# Altium PCB Shuttler_AMC.PcbDoc (part 10 of 12) (continued)
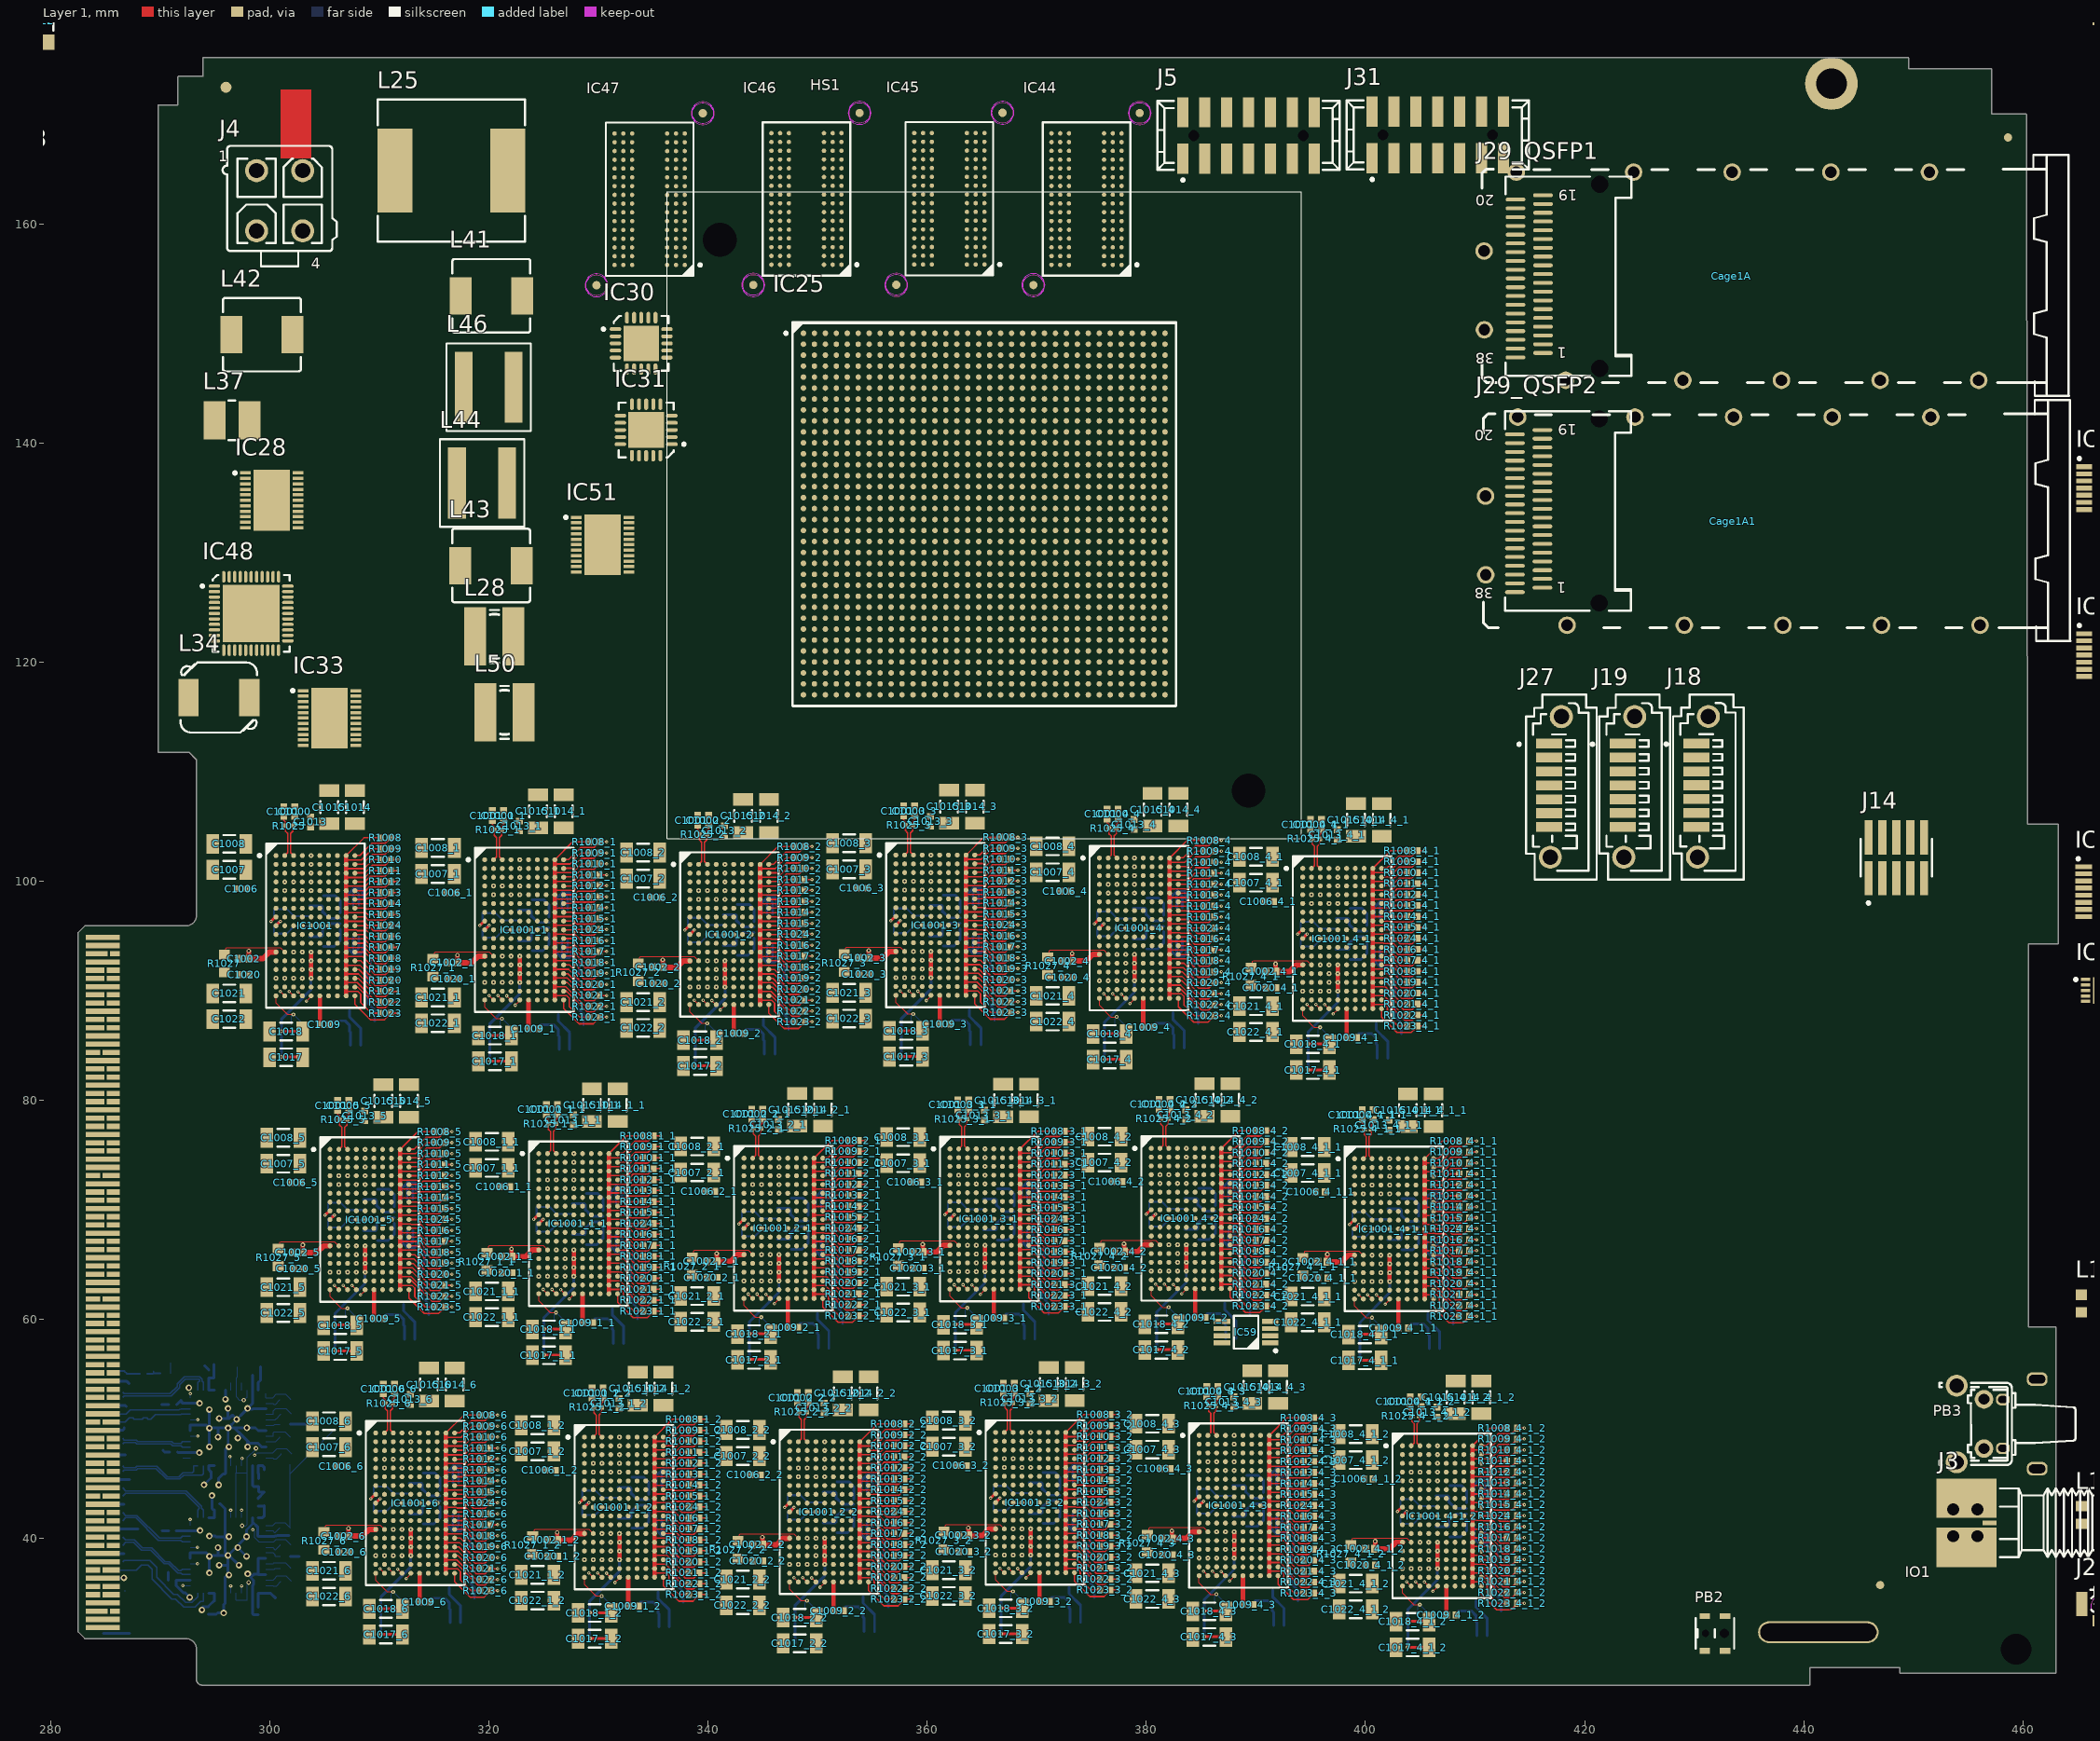
[diagram p0: Layer 1 view]
## Nets (pads, with @x,y where several pads share a name; then routed paths per layer and width w, separated by ;. In a path a pad name is that pad's centre, name@x,y a point inside that pad or via, vN(x,y) a via of type N, cw(c..) or ccw(c..) an arc to the next point about the centre after c; other vN are vias at no path point) (continued)
337.75,37.897 338.255,37.897 ; 335.119,40.075 336.622,40.075 337.8,38.897 338.255,38.897 ; 335.119,40.875 336.797,40.875 337.775,39.897 338.255,39.897 ; 335.119,41.675 336.747,41.675 337.525,40.897 338.255,40.897 ; 335.119,42.475 336.075,42.475 336.125,42.425 336.997,42.425 337.525,41.897 338.255,41.897 ; 335.119,43.275 336.7,43.275 337.078,42.897 338.255,42.897 ; 335.119,44.075 336.922,44.075 337.1,43.897 338.255,43.897 ; 335.119,44.872 338.23,44.872 338.255,44.897 ; 335.119,45.675 336.953,45.675 337.175,45.897 338.255,45.897 ; 335.119,46.475 336.853,46.475 337.275,46.897 338.255,46.897 ; 335.119,47.275 336.825,47.275 337.447,47.897 338.255,47.897 ; 335.119,48.075 335.126,48.082 336.752,48.082 337.567,48.897 338.255,48.897 ; 335.119,48.875 335.126,48.882 336.51,48.882 337.525,49.897 338.255,49.897 ; 335.119,49.275 336.741,50.897 338.255,50.897 ; v2(335.681,62.756) 335.026,62.756 ; 335.919,37.275 336.172,37.275 338.05,35.397 338.695,35.397 338.953,35.655 338.973,35.655 339.195,35.877 339.195,35.897 v2(339.85,35.897) ; 335.919,38.075 336.247,38.075 337.925,36.397 338.694,36.397 338.953,36.656 338.973,36.656 339.195,36.878 ; 335.919,38.875 336.3,38.875 337.778,37.397 338.695,37.397 338.953,37.655 338.973,37.655 339.195,37.877 339.195,37.897 v2(339.85,37.897) ; 335.919,39.675 336.447,39.675 337.725,38.397 338.695,38.397 338.953,38.655 338.973,38.655 339.195,38.877 339.195,38.897 v2(339.85,38.897) ; 335.919,40.475 336.805,40.475 337.883,39.397 338.695,39.397 338.953,39.655 338.973,39.655 339.195,39.877 339.195,39.897 v2(339.85,39.897) ; 335.919,41.275 336.784,41.275 337.662,40.397 338.695,40.397 338.953,40.655 338.973,40.655 339.195,40.877 339.195,40.897 v2(339.85,40.897) ; 335.919,42.075 336.747,42.075 337.425,41.397 338.695,41.397 338.953,41.655 338.973,41.655 339.195,41.877 339.195,41.897 v2(339.85,41.897) ; 335.919,42.875 336.766,42.875 336.98,42.661 337.361,42.661 337.625,42.397 338.695,42.397 338.953,42.655 338.973,42.655 339.195,42.877 339.195,42.897 v2(339.85,42.897) ; 335.919,43.675 336.481,43.675 336.847,43.675 337.125,43.397 338.695,43.397 338.953,43.655 338.973,43.655 339.195,43.877 339.195,43.897 v2(339.85,43.897) ; 335.919,44.475 336.503,44.475 336.847,44.475 336.925,44.397 338.695,44.397 338.953,44.655 338.973,44.655 339.195,44.877 339.195,44.897 v2(339.85,44.897) ; 335.919,45.275 336.403,45.275 336.903,45.275 337.025,45.397 338.695,45.397 338.953,45.655 338.973,45.655 339.195,45.877 339.195,45.897 v2(339.85,45.897) ; 335.919,46.075 336.403,46.075 336.903,46.075 337.225,46.397 338.695,46.397 338.953,46.655 338.973,46.655 339.195,46.877 339.195,46.897 v2(339.85,46.897) ; 335.919,46.875 336.253,46.875 336.803,46.875 337.325,47.397 338.695,47.397 338.953,47.655 338.973,47.655 339.195,47.877 339.195,47.897 v2(339.85,47.897) ; 335.919,47.675 335.944,47.7 336.228,47.7 336.828,47.7 337.525,48.397 338.695,48.397 338.953,48.655 338.973,48.655 339.195,48.877 339.195,48.897 v2(339.85,48.897) ; 335.919,48.475 335.944,48.5 336.228,48.5 336.628,48.5 337.525,49.397 338.695,49.397 338.953,49.655 338.973,49.655 339.195,49.877 339.195,49.897 v2(339.85,49.897) ; 335.919,49.275 335.944,49.3 336.378,49.3 337.475,50.397 338.695,50.397 338.953,50.655 338.973,50.655 339.195,50.877 339.195,50.897 v2(339.85,50.897) ; 335.922,36.472 335.919,36.475 335.919,35.703 337.325,34.297 338.625,34.297 338.973,34.645 338.973,34.675 339.195,34.897 v2(339.85,34.897) ; 339.05,105.122 339.05,104.766 339.209,104.607 339.209,104.283 339.22,104.272 339.22,103.764 339.412,103.572 339.412,101.818 339.144,101.55 ; 339.195,36.898 339.195,36.878 ; v2(339.85,36.878) 339.195,36.878 ; 339.944,101.55 339.676,101.818 339.676,103.572 339.88,103.776 339.88,104.272 339.885,104.277 339.885,104.607 340.05,104.772 340.05,105.122 ; 343.981,78.3 343.981,77.944 344.14,77.785 344.14,77.461 344.151,77.45 344.151,76.942 344.343,76.75 344.343,74.996 344.075,74.728 ; 344.744,89.147 345.825,89.147 346.075,88.897 346.075,88.122 347.025,87.172 347.88,87.172 ; 344.744,89.95 345.747,89.95 347.525,88.172 347.88,88.172 ; 344.744,90.75 345.872,90.75 347.449,89.173 347.88,89.173 ; 344.744,91.55 345.997,91.55 347.375,90.172 347.88,90.172 ; 344.744,92.35 346.247,92.35 347.425,91.172 347.88,91.172 ; 344.744,93.15 346.422,93.15 347.4,92.172 347.88,92.172 ; 344.744,93.95 346.372,93.95 347.15,93.172 347.88,93.172 ; 344.744,94.75 345.7,94.75 345.75,94.7 346.622,94.7 347.15,94.172 347.88,94.172 ; 344.744,95.55 346.325,95.55 346.703,95.172 347.88,95.172 ; 344.744,96.35 346.547,96.35 346.725,96.172 347.88,96.172 ; 344.744,97.147 347.855,97.147 347.88,97.172 ; 344.744,97.95 346.578,97.95 346.8,98.172 347.88,98.172 ; 344.744,98.75 346.478,98.75 346.9,99.172 347.88,99.172 ; 344.744,99.55 346.45,99.55 347.072,100.172 347.88,100.172 ; 344.744,100.35 344.751,100.357 346.377,100.357 347.192,101.172 347.88,101.172 ; 344.744,101.15 344.751,101.157 346.135,101.157 347.15,102.172 347.88,102.172 ; 344.744,101.55 346.366,103.172 347.88,103.172 ; 344.875,74.728 344.607,74.996 344.607,76.75 344.811,76.954 344.811,77.45 344.816,77.455 344.816,77.785 344.981,77.95 344.981,78.3 ; 345.544,89.55 345.797,89.55 347.675,87.672 348.32,87.672 348.578,87.93 348.598,87.93 348.82,88.152 348.82,88.172 v2(349.475,88.172) ; 345.544,90.35 345.872,90.35 347.55,88.672 348.319,88.672 348.578,88.931 348.598,88.931 348.82,89.153 ; 345.544,91.15 345.925,91.15 347.403,89.672 348.32,89.672 348.578,89.93 348.598,89.93 348.82,90.152 348.82,90.172 v2(349.475,90.172) ; 345.544,91.95 346.072,91.95 347.35,90.672 348.32,90.672 348.578,90.93 348.598,90.93 348.82,91.152 348.82,91.172 v2(349.475,91.172) ; 345.544,92.75 346.43,92.75 347.508,91.672 348.32,91.672 348.578,91.93 348.598,91.93 348.82,92.152 348.82,92.172 v2(349.475,92.172) ; 345.544,93.55 346.409,93.55 347.287,92.672 348.32,92.672 348.578,92.93 348.598,92.93 348.82,93.152 348.82,93.172 v2(349.475,93.172) ; 345.544,94.35 346.372,94.35 347.05,93.672 348.32,93.672 348.578,93.93 348.598,93.93 348.82,94.152 348.82,94.172 v2(349.475,94.172) ; 345.544,95.15 346.391,95.15 346.605,94.936 346.986,94.936 347.25,94.672 348.32,94.672 348.578,94.93 348.598,94.93 348.82,95.152 348.82,95.172 v2(349.475,95.172) ; 345.544,95.95 346.106,95.95 346.472,95.95 346.75,95.672 348.32,95.672 348.578,95.93 348.598,95.93 348.82,96.152 348.82,96.172 v2(349.475,96.172) ; 345.544,96.75 346.128,96.75 346.472,96.75 346.55,96.672 348.32,96.672 348.578,96.93 348.598,96.93 348.82,97.152 348.82,97.172 v2(349.475,97.172) ; 345.544,97.55 346.028,97.55 346.528,97.55 346.65,97.672 348.32,97.672 348.578,97.93 348.598,97.93 348.82,98.152 348.82,98.172 v2(349.475,98.172) ; 345.544,98.35 346.028,98.35 346.528,98.35 346.85,98.672 348.32,98.672 348.578,98.93 348.598,98.93 348.82,99.152 348.82,99.172 v2(349.475,99.172) ; 345.544,99.15 345.878,99.15 346.428,99.15 346.95,99.672 348.32,99.672 348.578,99.93 348.598,99.93 348.82,100.152 348.82,100.172 v2(349.475,100.172) ; 345.544,99.95 345.569,99.975 345.853,99.975 346.453,99.975 347.15,100.672 348.32,100.672 348.578,100.93 348.598,100.93 348.82,101.152 348.82,101.172 v2(349.475,101.172) ; 345.544,100.75 345.569,100.775 345.853,100.775 346.253,100.775 347.15,101.672 348.32,101.672 348.578,101.93 348.598,101.93 348.82,102.152 348.82,102.172 v2(349.475,102.172) ; 345.544,101.55 345.569,101.575 346.003,101.575 347.1,102.672 348.32,102.672 348.578,102.93 348.598,102.93 348.82,103.152 348.82,103.172 v2(349.475,103.172) ; 345.547,88.747 345.544,88.75 345.544,87.978 346.95,86.572 348.25,86.572 348.598,86.92 348.598,86.95 348.82,87.172 v2(349.475,87.172) ; 348.15,52.422 348.15,52.066 348.309,51.907 348.309,51.583 348.32,51.572 348.32,51.064 348.512,50.872 348.512,49.118 348.244,48.85 ; 348.82,89.173 348.82,89.153 ; 349.044,48.85 348.776,49.118 348.776,50.872 348.98,51.076 348.98,51.572 348.985,51.577 348.985,51.907 349.15,52.072 349.15,52.422 ; v2(349.475,89.153) 348.82,89.153 ; 349.675,62.325 350.756,62.325 351.006,62.075 351.006,61.3 351.956,60.35 352.811,60.35 ; 349.675,63.128 350.678,63.128 352.456,61.35 352.811,61.35 ; 349.675,63.928 350.803,63.928 352.38,62.351 352.811,62.351 ; 349.675,64.728 350.928,64.728 352.306,63.35 352.811,63.35 ; 349.675,65.528 351.178,65.528 352.356,64.35 352.811,64.35 ; 349.675,66.328 351.353,66.328 352.331,65.35 352.811,65.35 ; 349.675,67.128 351.303,67.128 352.081,66.35 352.811,66.35 ; 349.675,67.928 350.631,67.928 350.681,67.878 351.553,67.878 352.081,67.35 352.811,67.35 ; 349.675,68.728 351.256,68.728 351.634,68.35 352.811,68.35 ; 349.675,69.528 351.478,69.528 351.656,69.35 352.811,69.35 ; 349.675,70.325 352.786,70.325 352.811,70.35 ; 349.675,71.128 351.509,71.128 351.731,71.35 352.811,71.35 ; 349.675,71.928 351.409,71.928 351.831,72.35 352.811,72.35 ; 349.675,72.728 351.381,72.728 352.003,73.35 352.811,73.35 ; 349.675,73.528 349.682,73.535 351.308,73.535 352.123,74.35 352.811,74.35 ; 349.675,74.328 349.682,74.335 351.066,74.335 352.081,75.35 352.811,75.35 ; 349.675,74.728 351.297,76.35 352.811,76.35 ; 350.475,62.728 350.728,62.728 352.606,60.85 353.251,60.85 353.509,61.108 353.529,61.108 353.751,61.33 353.751,61.35 v2(354.406,61.35) ; 350.475,63.528 350.803,63.528 352.481,61.85 353.25,61.85 353.509,62.109 353.529,62.109 353.751,62.331 ; 350.475,64.328 350.856,64.328 352.334,62.85 353.251,62.85 353.509,63.108 353.529,63.108 353.751,63.33 353.751,63.35 v2(354.406,63.35) ; 350.475,65.128 351.003,65.128 352.281,63.85 353.251,63.85 353.509,64.108 353.529,64.108 353.751,64.33 353.751,64.35 v2(354.406,64.35) ; 350.475,65.928 351.361,65.928 352.439,64.85 353.251,64.85 353.509,65.108 353.529,65.108 353.751,65.33 353.751,65.35 v2(354.406,65.35) ; 350.475,66.728 351.34,66.728 352.218,65.85 353.251,65.85 353.509,66.108 353.529,66.108 353.751,66.33 353.751,66.35 v2(354.406,66.35) ; 350.475,67.528 351.303,67.528 351.981,66.85 353.251,66.85 353.509,67.108 353.529,67.108 353.751,67.33 353.751,67.35 v2(354.406,67.35) ; 350.475,68.328 351.322,68.328 351.536,68.114 351.917,68.114 352.181,67.85 353.251,67.85 353.509,68.108 353.529,68.108 353.751,68.33 353.751,68.35 v2(354.406,68.35) ; 350.475,69.128 351.037,69.128 351.403,69.128 351.681,68.85 353.251,68.85 353.509,69.108 353.529,69.108 353.751,69.33 353.751,69.35 v2(354.406,69.35) ; 350.475,69.928 351.059,69.928 351.403,69.928 351.481,69.85 353.251,69.85 353.509,70.108 353.529,70.108 353.751,70.33 353.751,70.35 v2(354.406,70.35) ; 350.475,70.728 350.959,70.728 351.459,70.728 351.581,70.85 353.251,70.85 353.509,71.108 353.529,71.108 353.751,71.33 353.751,71.35 v2(354.406,71.35) ; 350.475,71.528 350.959,71.528 351.459,71.528 351.781,71.85 353.251,71.85 353.509,72.108 353.529,72.108 353.751,72.33 353.751,72.35 v2(354.406,72.35) ; 350.475,72.328 350.809,72.328 351.359,72.328 351.881,72.85 353.251,72.85 353.509,73.108 353.529,73.108 353.751,73.33 353.751,73.35 v2(354.406,73.35) ; 350.475,73.128 350.5,73.153 350.784,73.153 351.384,73.153 352.081,73.85 353.251,73.85 353.509,74.108 353.529,74.108 353.751,74.33 353.751,74.35 v2(354.406,74.35) ; 350.475,73.928 350.5,73.953 350.784,73.953 351.184,73.953 352.081,74.85 353.251,74.85 353.509,75.108 353.529,75.108 353.751,75.33 353.751,75.35 v2(354.406,75.35) ; 350.475,74.728 350.5,74.753 350.934,74.753 352.031,75.85 353.251,75.85 353.509,76.108 353.529,76.108 353.751,76.33 353.751,76.35 v2(354.406,76.35) ; 350.478,61.925 350.475,61.928 350.475,61.156 351.881,59.75 353.181,59.75 353.529,60.098 353.529,60.128 353.751,60.35 v2(354.406,60.35) ; 353.751,62.351 353.751,62.331 ; 353.844,36.447 354.925,36.447 355.175,36.197 355.175,35.422 356.125,34.472 356.98,34.472 ; 353.844,37.25 354.847,37.25 356.625,35.472 356.98,35.472 ; 353.844,38.05 354.972,38.05 356.549,36.473 356.98,36.473 ; 353.844,38.85 355.097,38.85 356.475,37.472 356.98,37.472 ; 353.844,39.65 355.347,39.65 356.525,38.472 356.98,38.472 ; 353.844,40.45 355.522,40.45 356.5,39.472 356.98,39.472 ; 353.844,41.25 355.472,41.25 356.25,40.472 356.98,40.472 ; 353.844,42.05 354.8,42.05 354.85,42 355.722,42 356.25,41.472 356.98,41.472 ; 353.844,42.85 355.425,42.85 355.803,42.472 356.98,42.472 ; 353.844,43.65 355.647,43.65 355.825,43.472 356.98,43.472 ; 353.844,44.447 356.955,44.447 356.98,44.472 ; 353.844,45.25 355.678,45.25 355.9,45.472 356.98,45.472 ; 353.844,46.05 355.578,46.05 356,46.472 356.98,46.472 ; 353.844,46.85 355.55,46.85 356.172,47.472 356.98,47.472 ; 353.844,47.65 353.851,47.657 355.477,47.657 356.292,48.472 356.98,48.472 ; 353.844,48.45 353.851,48.457 355.235,48.457 356.25,49.472 356.98,49.472 ; 353.844,48.85 355.466,50.472 356.98,50.472 ; v2(354.406,62.331) 353.751,62.331 ; 354.644,36.85 354.897,36.85 356.775,34.972 357.42,34.972 357.678,35.23 357.698,35.23 357.92,35.452 357.92,35.472 v2(358.575,35.472) ; 354.644,37.65 354.972,37.65 356.65,35.972 357.419,35.972 357.678,36.231 357.698,36.231 357.92,36.453 ; 354.644,38.45 355.025,38.45 356.503,36.972 357.42,36.972 357.678,37.23 357.698,37.23 357.92,37.452 357.92,37.472 v2(358.575,37.472) ; 354.644,39.25 355.172,39.25 356.45,37.972 357.42,37.972 357.678,38.23 357.698,38.23 357.92,38.452 357.92,38.472 v2(358.575,38.472) ; 354.644,40.05 355.53,40.05 356.608,38.972 357.42,38.972 357.678,39.23 357.698,39.23 357.92,39.452 357.92,39.472 v2(358.575,39.472) ; 354.644,40.85 355.509,40.85 356.387,39.972 357.42,39.972 357.678,40.23 357.698,40.23 357.92,40.452 357.92,40.472 v2(358.575,40.472) ; 354.644,41.65 355.472,41.65 356.15,40.972 357.42,40.972 357.678,41.23 357.698,41.23 357.92,41.452 357.92,41.472 v2(358.575,41.472) ; 354.644,42.45 355.491,42.45 355.705,42.236 356.086,42.236 356.35,41.972 357.42,41.972 357.678,42.23 357.698,42.23 357.92,42.452 357.92,42.472 v2(358.575,42.472) ; 354.644,43.25 355.206,43.25 355.572,43.25 355.85,42.972 357.42,42.972 357.678,43.23 357.698,43.23 357.92,43.452 357.92,43.472 v2(358.575,43.472) ; 354.644,44.05 355.228,44.05 355.572,44.05 355.65,43.972 357.42,43.972 357.678,44.23 357.698,44.23 357.92,44.452 357.92,44.472 v2(358.575,44.472) ; 354.644,44.85 355.128,44.85 355.628,44.85 355.75,44.972 357.42,44.972 357.678,45.23 357.698,45.23 357.92,45.452 357.92,45.472 v2(358.575,45.472) ; 354.644,45.65 355.128,45.65 355.628,45.65 355.95,45.972 357.42,45.972 357.678,46.23 357.698,46.23 357.92,46.452 357.92,46.472 v2(358.575,46.472) ; 354.644,47.25 354.669,47.275 354.953,47.275 355.553,47.275 356.25,47.972 357.42,47.972 357.678,48.23 357.698,48.23 357.92,48.452 357.92,48.472 v2(358.575,48.472) ; 354.644,48.05 354.669,48.075 354.953,48.075 355.353,48.075 356.25,48.972 357.42,48.972 357.678,49.23 357.698,49.23 357.92,49.452 357.92,49.472 v2(358.575,49.472) ; 354.644,48.85 354.669,48.875 355.103,48.875 356.2,49.972 357.42,49.972 357.678,50.23 357.698,50.23 357.92,50.452 357.92,50.472 v2(358.575,50.472) ; 354.644,46.45 354.978,46.45 355.528,46.45 356.05,46.972 357.42,46.972 357.678,47.23 357.698,47.23 357.92,47.452 357.92,47.472 v2(358.575,47.472) ; 354.647,36.047 354.644,36.05 354.644,35.278 356.05,33.872 357.35,33.872 357.698,34.22 357.698,34.25 357.92,34.472 v2(358.575,34.472) ; 357.85,105.972 357.85,105.616 358.009,105.457 358.009,105.133 358.02,105.122 358.02,104.614 358.212,104.422 358.212,102.668 357.944,102.4 ; 357.92,36.473 357.92,36.453 ; v2(358.575,36.453) 357.92,36.453 ; 358.744,102.4 358.476,102.668 358.476,104.422 358.68,104.626 358.68,105.122 358.685,105.127 358.685,105.457 358.85,105.622 358.85,105.972 ; 362.781,79.15 362.781,78.794 362.94,78.635 362.94,78.311 362.951,78.3 362.951,77.792 363.143,77.6 363.143,75.846 362.875,75.578 ; 363.544,89.997 364.625,89.997 364.875,89.747 364.875,88.972 365.825,88.022 366.68,88.022 ; 363.544,90.8 364.547,90.8 366.325,89.022 366.68,89.022 ; 363.544,91.6 364.672,91.6 366.249,90.023 366.68,90.023 ; 363.544,92.4 364.797,92.4 366.175,91.022 366.68,91.022 ; 363.544,93.2 365.047,93.2 366.225,92.022 366.68,92.022 ; 363.544,94 365.222,94 366.2,93.022 366.68,93.022 ; 363.544,94.8 365.172,94.8 365.95,94.022 366.68,94.022 ; 363.544,95.6 364.5,95.6 364.55,95.55 365.422,95.55 365.95,95.022 366.68,95.022 ; 363.544,96.4 365.125,96.4 365.503,96.022 366.68,96.022 ; 363.544,97.2 365.347,97.2 365.525,97.022 366.68,97.022 ; 363.544,97.997 366.655,97.997 366.68,98.022 ; 363.544,98.8 365.378,98.8 365.6,99.022 366.68,99.022 ; 363.544,99.6 365.278,99.6 365.7,100.022 366.68,100.022 ; 363.544,100.4 365.25,100.4 365.872,101.022 366.68,101.022 ; 363.544,101.2 363.551,101.207 365.177,101.207 365.992,102.022 366.68,102.022 ; 363.544,102 363.551,102.007 364.935,102.007 365.95,103.022 366.68,103.022 ; 363.544,102.4 365.166,104.022 366.68,104.022 ; 363.675,75.578 363.407,75.846 363.407,77.6 363.611,77.804 363.611,78.3 363.616,78.305 363.616,78.635 363.781,78.8 363.781,79.15 ; 364.344,90.4 364.597,90.4 366.475,88.522 367.12,88.522 367.378,88.78 367.398,88.78 367.62,89.002 367.62,89.022 v2(368.275,89.022) ; 364.344,91.2 364.672,91.2 366.35,89.522 367.119,89.522 367.378,89.781 367.398,89.781 367.62,90.003 ; 364.344,92 364.725,92 366.203,90.522 367.12,90.522 367.378,90.78 367.398,90.78 367.62,91.002 367.62,91.022 v2(368.275,91.022) ; 364.344,92.8 364.872,92.8 366.15,91.522 367.12,91.522 367.378,91.78 367.398,91.78 367.62,92.002 367.62,92.022 v2(368.275,92.022) ; 364.344,93.6 365.23,93.6 366.308,92.522 367.12,92.522 367.378,92.78 367.398,92.78 367.62,93.002 367.62,93.022 v2(368.275,93.022) ; 364.344,94.4 365.209,94.4 366.087,93.522 367.12,93.522 367.378,93.78 367.398,93.78 367.62,94.002 367.62,94.022 v2(368.275,94.022) ; 364.344,95.2 365.172,95.2 365.85,94.522 367.12,94.522 367.378,94.78 367.398,94.78 367.62,95.002 367.62,95.022 v2(368.275,95.022) ; 364.344,96 365.191,96 365.405,95.786 365.786,95.786 366.05,95.522 367.12,95.522 367.378,95.78 367.398,95.78 367.62,96.002 367.62,96.022 v2(368.275,96.022) ; 364.344,96.8 364.906,96.8 365.272,96.8 365.55,96.522 367.12,96.522 367.378,96.78 367.398,96.78 367.62,97.002 367.62,97.022 v2(368.275,97.022) ; 364.344,97.6 364.928,97.6 365.272,97.6 365.35,97.522 367.12,97.522 367.378,97.78 367.398,97.78 367.62,98.002 367.62,98.022 v2(368.275,98.022) ; 364.344,98.4 364.828,98.4 365.328,98.4 365.45,98.522 367.12,98.522 367.378,98.78 367.398,98.78 367.62,99.002 367.62,99.022 v2(368.275,99.022) ; 364.344,99.2 364.828,99.2 365.328,99.2 365.65,99.522 367.12,99.522 367.378,99.78 367.398,99.78 367.62,100.002 367.62,100.022 v2(368.275,100.022) ; 364.344,100 364.678,100 365.228,100 365.75,100.522 367.12,100.522 367.378,100.78 367.398,100.78 367.62,101.002 367.62,101.022 v2(368.275,101.022) ; 364.344,100.8 364.369,100.825 364.653,100.825 365.253,100.825 365.95,101.522 367.12,101.522 367.378,101.78 367.398,101.78 367.62,102.002 367.62,102.022 v2(368.275,102.022) ; 364.344,101.6 364.369,101.625 364.653,101.625 365.053,101.625 365.95,102.522 367.12,102.522 367.378,102.78 367.398,102.78 367.62,103.002 367.62,103.022 v2(368.275,103.022) ; 364.344,102.4 364.369,102.425 364.803,102.425 365.9,103.522 367.12,103.522 367.378,103.78 367.398,103.78 367.62,104.002 367.62,104.022 v2(368.275,104.022) ; 364.347,89.597 364.344,89.6 364.344,88.828 365.75,87.422 367.05,87.422 367.398,87.77 367.398,87.8 367.62,88.022 v2(368.275,88.022) ; 366.95,53.272 366.95,52.916 367.109,52.757 367.109,52.433 367.12,52.422 367.12,51.914 367.312,51.722 367.312,49.968 367.044,49.7 ; 367.62,90.023 367.62,90.003 ; 367.844,49.7 367.576,49.968 367.576,51.722 367.78,51.926 367.78,52.422 367.785,52.427 367.785,52.757 367.95,52.922 367.95,53.272 ; v2(368.275,90.003) 367.62,90.003 ; 368.475,63.175 369.556,63.175 369.806,62.925 369.806,62.15 370.756,61.2 371.611,61.2 ; 368.475,63.978 369.478,63.978 371.256,62.2 371.611,62.2 ; 368.475,64.778 369.603,64.778 371.18,63.201 371.611,63.201 ; 368.475,65.578 369.728,65.578 371.106,64.2 371.611,64.2 ; 368.475,66.378 369.978,66.378 371.156,65.2 371.611,65.2 ; 368.475,67.178 370.153,67.178 371.131,66.2 371.611,66.2 ; 368.475,67.978 370.103,67.978 370.881,67.2 371.611,67.2 ; 368.475,68.778 369.431,68.778 369.481,68.728 370.353,68.728 370.881,68.2 371.611,68.2 ; 368.475,69.578 370.056,69.578 370.434,69.2 371.611,69.2 ; 368.475,70.378 370.278,70.378 370.456,70.2 371.611,70.2 ; 368.475,71.175 371.586,71.175 371.611,71.2 ; 368.475,71.978 370.309,71.978 370.531,72.2 371.611,72.2 ; 368.475,72.778 370.209,72.778 370.631,73.2 371.611,73.2 ; 368.475,73.578 370.181,73.578 370.803,74.2 371.611,74.2 ; 368.475,74.378 368.482,74.385 370.108,74.385 370.923,75.2 371.611,75.2 ; 368.475,75.178 368.482,75.185 369.866,75.185 370.881,76.2 371.611,76.2 ; 368.475,75.578 370.097,77.2 371.611,77.2 ; 369.275,63.578 369.528,63.578 371.406,61.7 372.051,61.7 372.309,61.958 372.329,61.958 372.551,62.18 372.551,62.2 v2(373.206,62.2) ; 369.275,64.378 369.603,64.378 371.281,62.7 372.05,62.7 372.309,62.959 372.329,62.959 372.551,63.181 ; 369.275,65.178 369.656,65.178 371.134,63.7 372.051,63.7 372.309,63.958 372.329,63.958 372.551,64.18 372.551,64.2 v2(373.206,64.2) ; 369.275,65.978 369.803,65.978 371.081,64.7 372.051,64.7 372.309,64.958 372.329,64.958 372.551,65.18 372.551,65.2 v2(373.206,65.2) ; 369.275,66.778 370.161,66.778 371.239,65.7 372.051,65.7 372.309,65.958 372.329,65.958 372.551,66.18 372.551,66.2 v2(373.206,66.2) ; 369.275,67.578 370.14,67.578 371.018,66.7 372.051,66.7 372.309,66.958 372.329,66.958 372.551,67.18 372.551,67.2 v2(373.206,67.2) ; 369.275,68.378 370.103,68.378 370.781,67.7 372.051,67.7 372.309,67.958 372.329,67.958 372.551,68.18 372.551,68.2 v2(373.206,68.2) ; 369.275,69.178 370.122,69.178 370.336,68.964 370.717,68.964 370.981,68.7 372.051,68.7 372.309,68.958 372.329,68.958 372.551,69.18 372.551,69.2 v2(373.206,69.2) ; 369.275,69.978 369.837,69.978 370.203,69.978 370.481,69.7 372.051,69.7 372.309,69.958 372.329,69.958 372.551,70.18 372.551,70.2 v2(373.206,70.2) ; 369.275,70.778 369.859,70.778 370.203,70.778 370.281,70.7 372.051,70.7 372.309,70.958 372.329,70.958 372.551,71.18 372.551,71.2 v2(373.206,71.2) ; 369.275,71.578 369.759,71.578 370.259,71.578 370.381,71.7 372.051,71.7 372.309,71.958 372.329,71.958 372.551,72.18 372.551,72.2 v2(373.206,72.2) ; 369.275,72.378 369.759,72.378 370.259,72.378 370.581,72.7 372.051,72.7 372.309,72.958 372.329,72.958 372.551,73.18 372.551,73.2 v2(373.206,73.2) ; 369.275,73.178 369.609,73.178 370.159,73.178 370.681,73.7 372.051,73.7 372.309,73.958 372.329,73.958 372.551,74.18 372.551,74.2 v2(373.206,74.2) ; 369.275,73.978 369.3,74.003 369.584,74.003 370.184,74.003 370.881,74.7 372.051,74.7 372.309,74.958 372.329,74.958 372.551,75.18 372.551,75.2 v2(373.206,75.2) ; 369.275,74.778 369.3,74.803 369.584,74.803 369.984,74.803 370.881,75.7 372.051,75.7 372.309,75.958 372.329,75.958 372.551,76.18 372.551,76.2 v2(373.206,76.2) ; 369.275,75.578 369.3,75.603 369.734,75.603 370.831,76.7 372.051,76.7 372.309,76.958 372.329,76.958 372.551,77.18 372.551,77.2 v2(373.206,77.2) ; 369.278,62.775 369.275,62.778 369.275,62.006 370.681,60.6 371.981,60.6 372.329,60.948 372.329,60.978 372.551,61.2 v2(373.206,61.2) ; 372.551,63.201 372.551,63.181 ; 372.644,37.297 373.725,37.297 373.975,37.047 373.975,36.272 374.925,35.322 375.78,35.322 ; 372.644,38.1 373.647,38.1 375.425,36.322 375.78,36.322 ; 372.644,38.9 373.772,38.9 375.349,37.323 375.78,37.323 ; 372.644,39.7 373.897,39.7 375.275,38.322 375.78,38.322 ; 372.644,40.5 374.147,40.5 375.325,39.322 375.78,39.322 ; 372.644,41.3 374.322,41.3 375.3,40.322 375.78,40.322 ; 372.644,42.1 374.272,42.1 375.05,41.322 375.78,41.322 ; 372.644,42.9 373.6,42.9 373.65,42.85 374.522,42.85 375.05,42.322 375.78,42.322 ; 372.644,43.7 374.225,43.7 374.603,43.322 375.78,43.322 ; 372.644,44.5 374.447,44.5 374.625,44.322 375.78,44.322 ; 372.644,45.297 375.755,45.297 375.78,45.322 ; 372.644,46.1 374.478,46.1 374.7,46.322 375.78,46.322 ; 372.644,46.9 374.378,46.9 374.8,47.322 375.78,47.322 ; 372.644,47.7 374.35,47.7 374.972,48.322 375.78,48.322 ; 372.644,48.5 372.651,48.507 374.277,48.507 375.092,49.322 375.78,49.322 ; 372.644,49.3 372.651,49.307 374.035,49.307 375.05,50.322 375.78,50.322 ; 372.644,49.7 374.266,51.322 375.78,51.322 ; v2(373.206,63.181) 372.551,63.181 ; 373.444,37.7 373.697,37.7 375.575,35.822 376.22,35.822 376.478,36.08 376.498,36.08 376.72,36.302 376.72,36.322 v2(377.375,36.322) ; 373.444,38.5 373.772,38.5 375.45,36.822 376.219,36.822 376.478,37.081 376.498,37.081 376.72,37.303 ; 373.444,39.3 373.825,39.3 375.303,37.822 376.22,37.822 376.478,38.08 376.498,38.08 376.72,38.302 376.72,38.322 v2(377.375,38.322) ; 373.444,40.1 373.972,40.1 375.25,38.822 376.22,38.822 376.478,39.08 376.498,39.08 376.72,39.302 376.72,39.322 v2(377.375,39.322) ; 373.444,40.9 374.33,40.9 375.408,39.822 376.22,39.822 376.478,40.08 376.498,40.08 376.72,40.302 376.72,40.322 v2(377.375,40.322) ; 373.444,41.7 374.309,41.7 375.187,40.822 376.22,40.822 376.478,41.08 376.498,41.08 376.72,41.302 376.72,41.322 v2(377.375,41.322) ; 373.444,42.5 374.272,42.5 374.95,41.822 376.22,41.822 376.478,42.08 376.498,42.08 376.72,42.302 376.72,42.322 v2(377.375,42.322) ; 373.444,43.3 374.291,43.3 374.505,43.086 374.886,43.086 375.15,42.822 376.22,42.822 376.478,43.08 376.498,43.08 376.72,43.302 376.72,43.322 v2(377.375,43.322) ; 373.444,44.1 374.006,44.1 374.372,44.1 374.65,43.822 376.22,43.822 376.478,44.08 376.498,44.08 376.72,44.302 376.72,44.322 v2(377.375,44.322) ; 373.444,44.9 374.028,44.9 374.372,44.9 374.45,44.822 376.22,44.822 376.478,45.08 376.498,45.08 376.72,45.302 376.72,45.322 v2(377.375,45.322) ; 373.444,45.7 373.928,45.7 374.428,45.7 374.55,45.822 376.22,45.822 376.478,46.08 376.498,46.08 376.72,46.302 376.72,46.322 v2(377.375,46.322) ; 373.444,46.5 373.928,46.5 374.428,46.5 374.75,46.822 376.22,46.822 376.478,47.08 376.498,47.08 376.72,47.302 376.72,47.322 v2(377.375,47.322) ; 373.444,48.1 373.469,48.125 373.753,48.125 374.353,48.125 375.05,48.822 376.22,48.822 376.478,49.08 376.498,49.08 376.72,49.302 376.72,49.322 v2(377.375,49.322) ; 373.444,48.9 373.469,48.925 373.753,48.925 374.153,48.925 375.05,49.822 376.22,49.822 376.478,50.08 376.498,50.08 376.72,50.302 376.72,50.322 v2(377.375,50.322) ; 373.444,49.7 373.469,49.725 373.903,49.725 375,50.822 376.22,50.822 376.478,51.08 376.498,51.08 376.72,51.302 376.72,51.322 v2(377.375,51.322) ; 373.444,47.3 373.778,47.3 374.328,47.3 374.85,47.822 376.22,47.822 376.478,48.08 376.498,48.08 376.72,48.302 376.72,48.322 v2(377.375,48.322) ; 373.447,36.897 373.444,36.9 373.444,36.128 374.85,34.722 376.15,34.722 376.498,35.07 376.498,35.1 376.72,35.322 v2(377.375,35.322) ; 376.425,105.697 376.425,105.341 376.584,105.182 376.584,104.858 376.595,104.847 376.595,104.339 376.787,104.147 376.787,102.393 376.519,102.125 ; 376.72,37.323 376.72,37.303 ; 377.319,102.125 377.051,102.393 377.051,104.147 377.255,104.351 377.255,104.847 377.26,104.852 377.26,105.182 377.425,105.347 377.425,105.697 ; v2(377.375,37.303) 376.72,37.303 ; 381.156,79.197 381.156,78.841 381.315,78.682 381.315,78.358 381.326,78.347 381.326,77.839 381.518,77.647 381.518,75.893 381.25,75.625 ; 382.05,75.625 381.782,75.893 381.782,77.647 381.986,77.851 381.986,78.347 381.991,78.352 381.991,78.682 382.156,78.847 382.156,79.197 ; 382.119,89.722 383.2,89.722 383.45,89.472 383.45,88.697 384.4,87.747 385.255,87.747 ; 382.119,90.525 383.122,90.525 384.9,88.747 385.255,88.747 ; 382.119,91.325 383.247,91.325 384.824,89.748 385.255,89.748 ; 382.119,92.125 383.372,92.125 384.75,90.747 385.255,90.747 ; 382.119,92.925 383.622,92.925 384.8,91.747 385.255,91.747 ; 382.119,93.725 383.797,93.725 384.775,92.747 385.255,92.747 ; 382.119,94.525 383.747,94.525 384.525,93.747 385.255,93.747 ; 382.119,95.325 383.075,95.325 383.125,95.275 383.997,95.275 384.525,94.747 385.255,94.747 ; 382.119,96.125 383.7,96.125 384.078,95.747 385.255,95.747 ; 382.119,96.925 383.922,96.925 384.1,96.747 385.255,96.747 ; 382.119,97.722 385.23,97.722 385.255,97.747 ; 382.119,98.525 383.953,98.525 384.175,98.747 385.255,98.747 ; 382.119,99.325 383.853,99.325 384.275,99.747 385.255,99.747 ; 382.119,100.125 383.825,100.125 384.447,100.747 385.255,100.747 ; 382.119,100.925 382.126,100.932 383.752,100.932 384.567,101.747 385.255,101.747 ; 382.119,101.725 382.126,101.732 383.51,101.732 384.525,102.747 385.255,102.747 ; 382.119,102.125 383.741,103.747 385.255,103.747